# KiCad board Zx50 Bus Probe_RevB.kicad_pcb (continued)
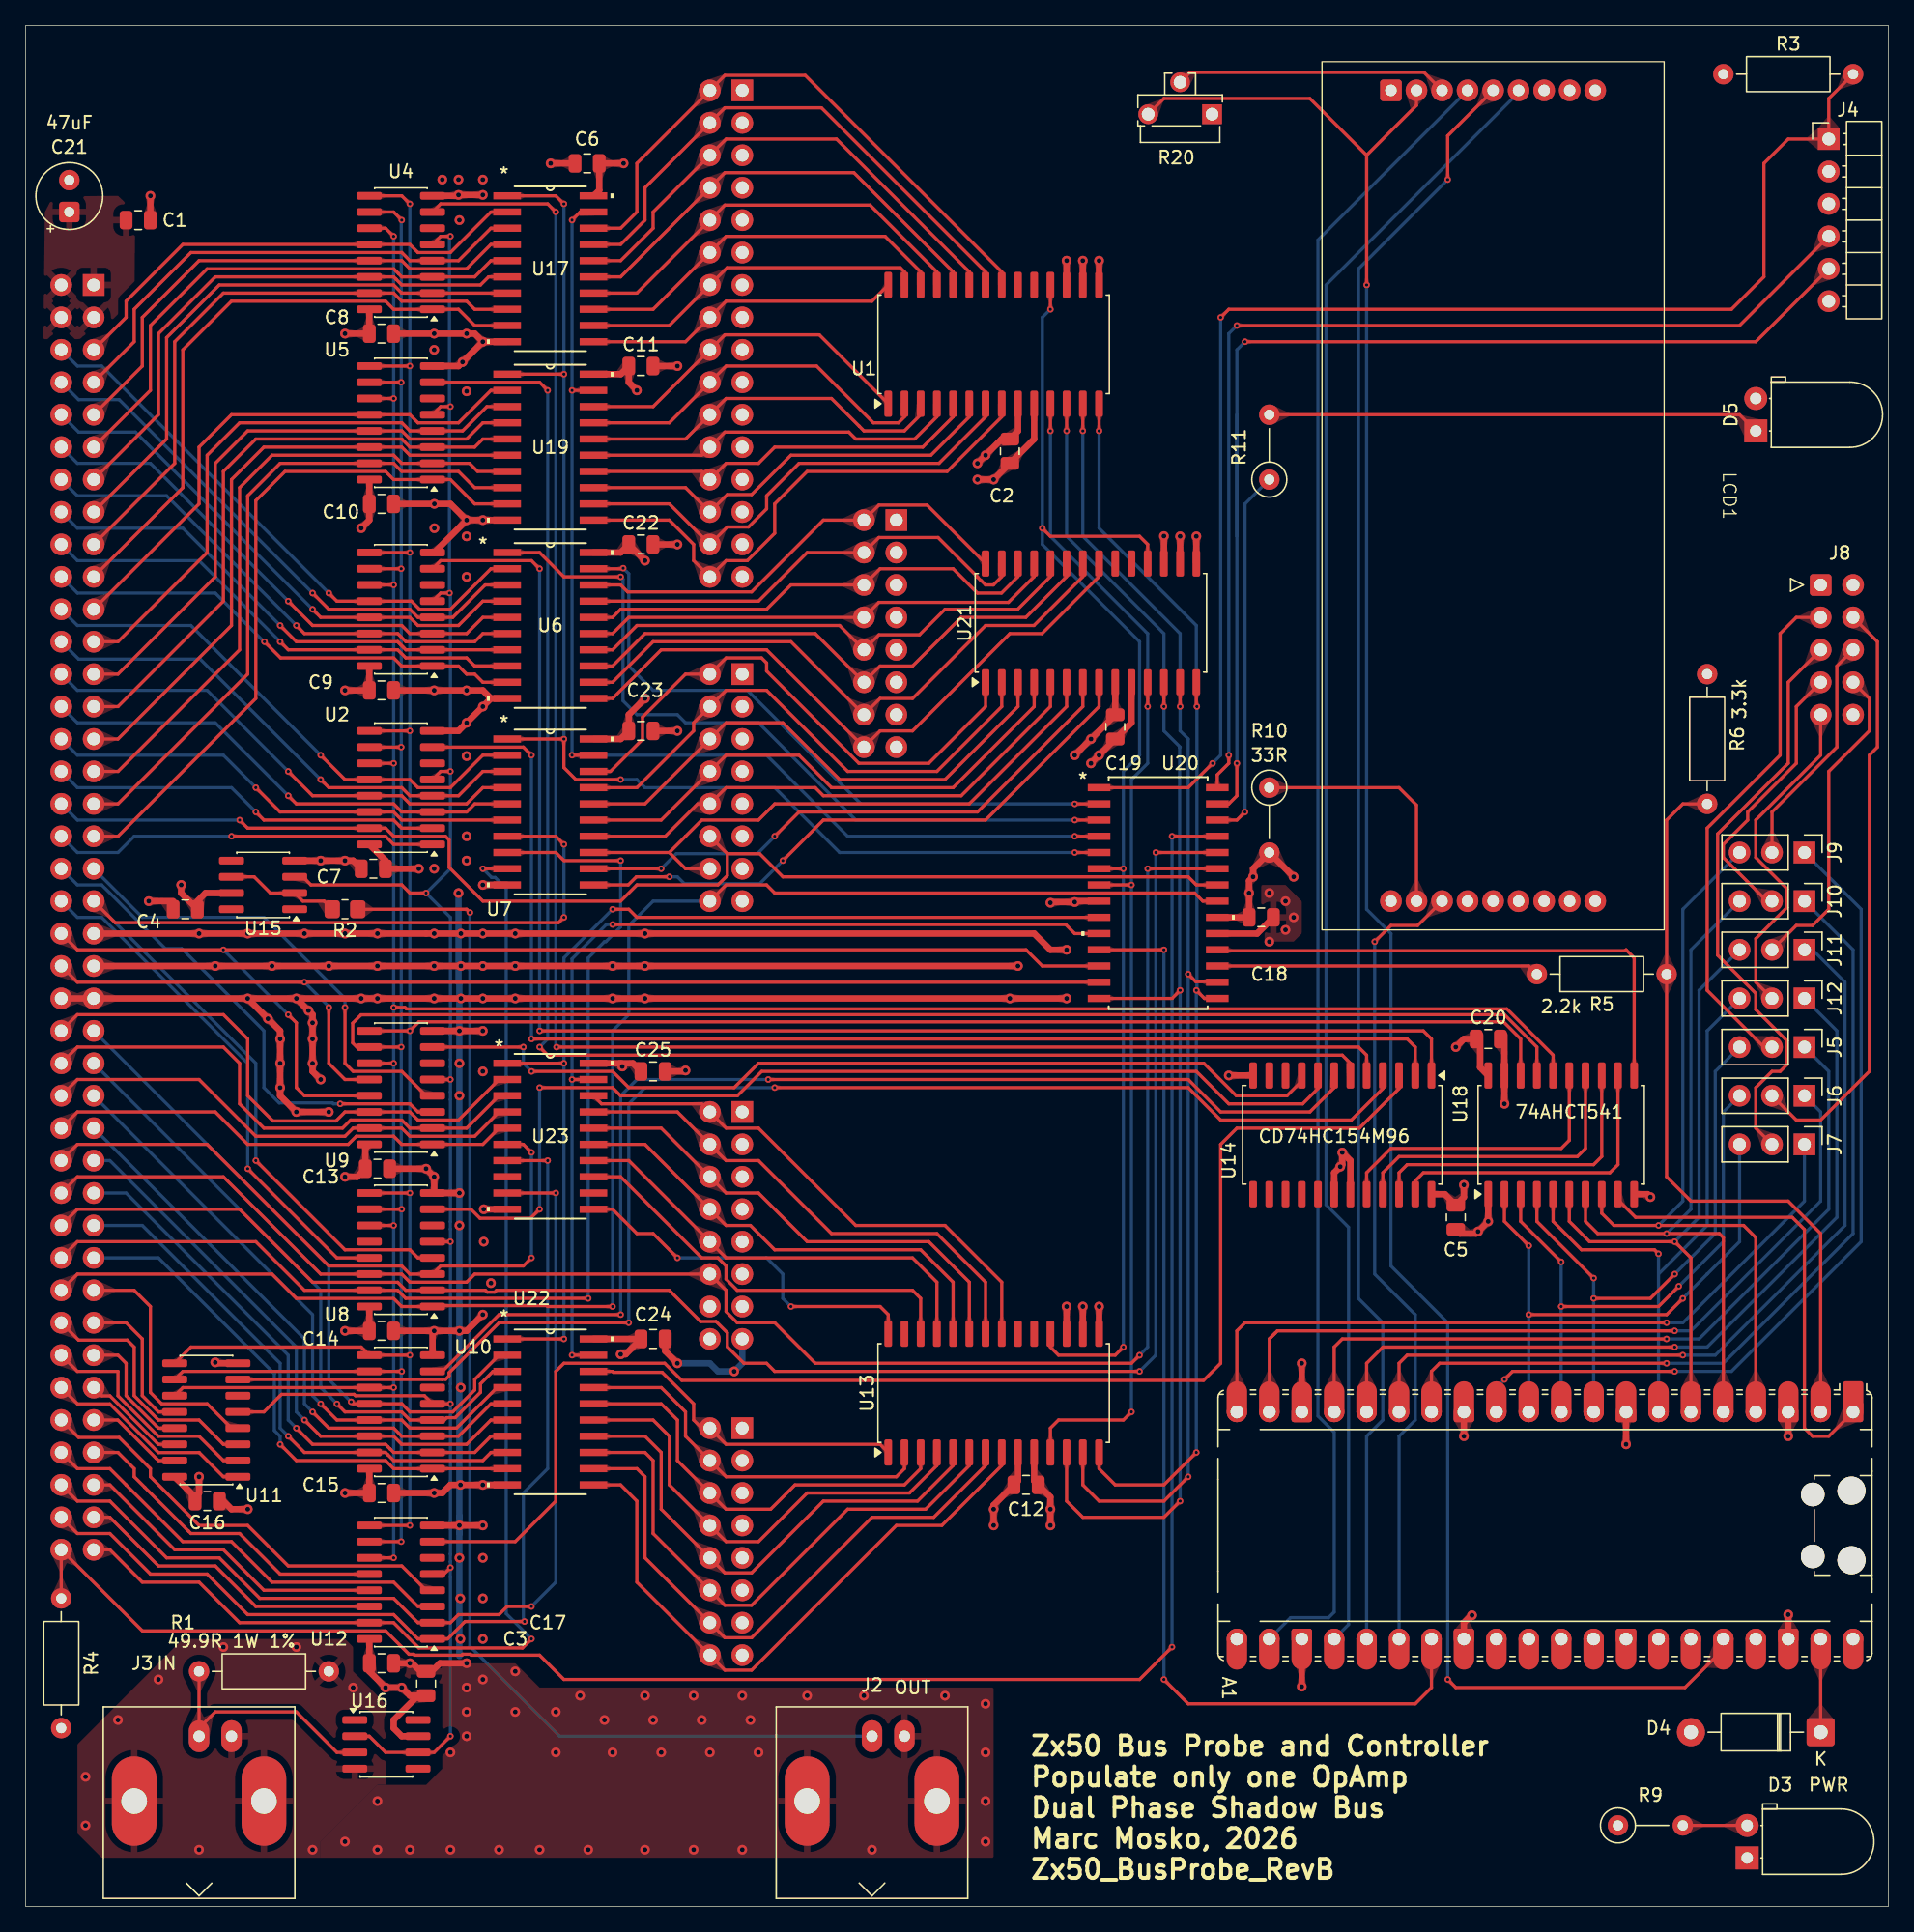
[diagram p0: board, top side]
## Routing (per net, layer and track width the routed paths; a pad name or vN(x,y) marks a point on that pad's centre or on a via; arc(x,y) is an arc through that point) (continued)
/X.A2: length 39.5
  Top w0.25: U1.23 73.91,128.02 63.51,138.43 54.86,138.43 J15.3b 49.15,132.72 49.15,131.44 46.61,128.91 U17.16
/X.A3: length 35.8
  Top w0.25: U1.24 72.64,128.02 64.87,135.8 54.77,135.8 J15.4b 46.61,127.63 U17.15
/X.A4: length 32.9
  Top w0.25: U1.25 71.37,128.02 66.14,133.26 54.77,133.26 J15.5b 47.88,126.36 U17.14
/X.A5: length 30.2
  Top w0.25: U1.26 70.1,128.02 67.32,130.81 54.86,130.81 J15.6b 49.15,125.09 U17.13
/X.A6: length 27.4
  Top w0.25: U1.27 68.83,128.02 68.51,128.35 54.95,128.35 J15.7b 50.42,123.82 U17.12
/X.A7: length 24.9
  Top w0.25: U17.11 51.69,122.55 J15.8b 54.86,125.73 66.29,125.73 U1.28
/X.A8: length 27.7
  Top w0.25: U1.1 62.17,123.1 54.77,123.1 J15.9b 49.15,117.47 U19.18
/X.A9: length 29.3
  Top w0.25: U1.2 68.83,116.68 68.36,116.2 66.4,116.2 61.96,120.65 54.86,120.65 J15.10b 50.42,116.2 44.48,116.2
/X.A10: length 28.5
  Top w0.25: U19.16 51.69,114.94 J15.11b 54.86,118.11 63.12,118.11 65.3,115.93 65.3,115.93 65.66,115.57 68.83,115.57 70.1,116.84
/X.A11: length 29.6
  Top w0.25: 44.48,113.66 52.96,113.66 J15.12b 54.77,115.48 64.48,115.48 65.02,114.94 69.63,114.94 71.37,116.68 U1.4
/X.A12: length 31.5
  Top w0.25: U1.5 72.64,116.68 70.27,114.3 58.67,114.3 57.4,113.03 54.86,113.03 J15.13b 52.96,112.39 U19.14
/X.A13: length 34.3
  Top w0.25: U1.6 73.91,116.68 70.9,113.66 59.94,113.66 56.86,110.58 54.96,110.58 J15.14b 51.69,111.12 44.48,111.12
/X.A14: length 37.8
  Top w0.25: U1.7 75.18,116.68 71.54,113.03 60.58,113.03 58.04,110.49 58.04,109.46 56.62,108.04 54.96,108.04 J15.15b 50.42,109.85 U19.12
/X.A15: length 42.1
  Top w0.25: U1.8 76.45,116.68 72.17,112.39 61.21,112.39 58.67,109.85 58.67,107.56 56.53,105.41 54.86,105.41 J15.16b 52.32,105.41 52.32,106.68 50.42,108.58 U19.11
/X.D0: length 35.6
  Top w0.25: U21.28 70.61,109.76 66.84,109.76 J16.1b 62.48,108.58 56.86,102.96 47.15,102.96 46.61,103.5 U6.18
/X.D1: length 36.9
  Top w0.25: U21.27 76.45,104.16 75.8,103.5 75.18,103.5 74.85,103.83 74.83,103.83 74.56,104.11 74.56,104.13 71.47,107.22 66.84,107.22 J16.2b 61.21,106.04 57.4,102.23 U6.17
/X.D2: length 37.2
  Top w0.25: 44.48,100.96 45.97,100.96 46.61,101.6 58.04,101.6 59.94,103.5 J16.3b 66.93,104.77 72.64,104.77 74.55,102.87 76.43,102.87 77.72,104.16 U21.26
/X.D3: length 37.4
  Top w0.25: U21.25 78.99,104.16 76.97,102.14 66.84,102.14 J16.4b 47.24,100.96 45.97,99.69 U6.15
/X.D4: length 40.8
  Top w0.25: U6.14 45.97,98.42 47.88,100.33 63.75,100.33 J16.5b 66.84,99.6 70.01,99.6 72.01,101.6 77.7,101.6 80.26,104.16 U21.24
/X.D5: length 44.1
  Top w0.25: U21.23 81.53,104.16 78.34,100.96 73.28,100.96 69.47,97.16 66.93,97.16 J16.6b 61.85,99.69 48.51,99.69 45.97,97.16 U6.13
/X.D6: length 47.5
  Top w0.25: U6.12 45.97,95.88 49.15,99.06 59.94,99.06 J16.7b 66.93,94.61 69.47,94.61 75.18,100.33 78.97,100.33 82.8,104.16 U21.22
/X.D7: length 50.9
  Top w0.25: U21.21 84.07,104.16 79.61,99.69 77.09,99.69 69.47,92.07 66.93,92.07 J16.8b 58.04,98.42 49.78,98.42 45.97,94.61 U6.11
/X.G12: length 29.1
  Top w0.25: v1(59.94,46.99) 66.93,46.99 67.56,46.35 U13.28 ; v1(51.05,50.8) 49.15,52.7 47.88,52.7 45.97,54.61 U23.11
  Bottom w0.25: v1(51.05,50.8) 58.04,50.8 59.31,49.53 59.31,47.62 v1(59.94,46.99)
/X.G14: length 32.9
  Top w0.25: U13.26 70.1,47.62 69.47,48.26 55.74,48.26 54.86,49.14 54.86,50.16 54.23,50.8 52.96,50.8 46.61,57.15 U23.13
/X.G15: length 47.7
  Top w0.25: v1(50.42,80.64) 47.84,80.64 47.2,80.01 U7.11 ; U21.8 84.07,93.98 75.18,85.09 62.48,85.09 v1(59.31,81.91)
  Bottom w0.25: v1(59.31,81.91) 57.5,80.1 51.59,80.1 51.05,80.64 v1(50.42,80.64)
/X.SD0: length 25.8
  Top w0.25: J19.1b 54.86,36.19 66.93,36.19 U13.1 ; 52.96,37.46 52.32,38.1 52.32,39.37 49.86,41.84 46.05,41.84 45.97,41.91 U22.18
/X.SD1: length 29.9
  Top w0.25: U13.2 68.83,34.29 68.2,33.66 54.86,33.66 J19.2b 51.69,36.83 51.69,38.73 49.78,40.64 U22.17
/X.SD2: length 33.5
  Top w0.25: U22.16 49.78,39.37 51.05,38.1 51.05,34.92 J19.3b 54.86,31.11 58.36,31.11 60.26,33.02 68.83,33.02 70.1,34.29 U13.3
/X.SD3: length 36.6
  Top w0.25: U22.15 49.15,38.1 50.42,36.83 50.42,33.02 J19.4b 54.86,28.57 57.4,28.57 61.21,32.38 69.22,32.38 71.37,34.54 U13.4
/X.SD4: length 39.7
  Top w0.25: U22.14 48.51,36.83 49.78,35.56 49.78,31.11 J19.5b 54.77,26.13 56.86,26.13 62.48,31.75 69.86,31.75 72.64,34.54 U13.5
/X.SD5: length 43.3
  Top w0.25: U13.6 73.91,34.54 70.49,31.11 64.39,31.11 56.86,23.59 54.77,23.59 J19.6b 49.15,29.21 49.15,34.92 48.51,35.56 U22.13
/X.SD6: length 46.5
  Top w0.25: U22.12 47.88,34.29 48.51,33.66 48.51,27.31 J19.7b 54.77,21.05 56.86,21.05 66.29,30.48 71.13,30.48 75.18,34.54 U13.7
/X.SD7: length 49.4
  Top w0.25: U13.8 76.45,34.54 71.76,29.84 68.2,29.84 56.86,18.51 54.77,18.51 J19.8b 47.88,25.4 47.88,31.75 46.61,33.02 U22.11
/X.SH_RW: length 36.7
  Top w0.25: U23.15 48.51,59.69 J20.4b 54.86,53.34 56.77,53.34 58.67,51.43 70.1,51.43 72.64,48.89 U13.24
/X.~BUSAK~: length 45.5
  Top w0.25: U7.12 v1(49.78,81.28) ; v1(58.67,83.82) 60.58,85.72 74.55,85.72 82.8,93.98 U21.7
  Bottom w0.25: v1(58.67,83.82) 57.31,82.46 50.96,82.46 v1(49.78,81.28)
/X.~IORQ~: length 42.2
  Top w0.25: U7.15 49.78,85.09 J17.4b 54.86,90.17 60.58,90.17 63.12,87.63 72.64,87.63 78.99,93.98 U21.4
/X.~M1~: length 42.4
  Top w0.25: U7.14 50.1,83.82 52.64,86.36 J17.5b 54.86,87.63 61.85,87.63 62.48,86.99 73.28,86.99 80.26,93.98 U21.5
/X.~MREQ~: length 42
  Top w0.25: U21.3 77.72,93.98 72.01,88.27 63.75,88.27 59.31,92.71 54.86,92.71 J17.3b 48.51,86.36 U7.16
/X.~RD~: length 42.9
  Top w0.25: U21.1 75.18,93.98 70.74,89.53 65.27,89.53 58.04,96.76 58.04,97.4 57.65,97.79 54.86,97.79 J17.1b 51.69,96.52 48.32,93.15 48.32,91.41 45.8,88.9 U7.18
/X.~RESET~: length 47.4
  Top w0.25: U21.6 81.53,93.98 73.91,86.36 58.67,86.36 57.4,85.09 52.96,85.09 51.69,83.82 51.69,83.82 50.42,82.55 ; J17.7b 51.69,81.28 50.42,82.55 ; 50.42,82.55 U7.13
/X.~SH_DONE~: length 34.9
  Top w0.25: U13.25 71.37,48.89 69.47,50.8 54.86,50.8 J20.5b 47.24,58.42 U23.14
/X.~SH_EN~: length 38.5
  Top w0.25: U13.23 73.91,48.89 70.74,52.07 61.21,52.07 57.4,55.88 54.86,55.88 J20.3b 49.78,60.96 U23.16
/X.~SH_INC~: length 40.3
  Top w0.25: U23.17 51.05,62.23 J20.2b 54.86,58.42 57.4,58.42 63.12,52.7 71.37,52.7 75.18,48.89 U13.22
/X.~SH_STB~: length 42.1
  Top w0.25: U23.18 45.11,62.86 52.96,62.86 J20.1b 54.86,60.96 57.4,60.96 65.02,53.34 72.01,53.34 76.45,48.89 U13.21
/X.~WR~: length 42.1
  Top w0.25: U7.17 47.88,87.63 52.32,92.07 52.32,92.71 J17.2b 54.86,95.25 58.04,95.25 64.39,88.9 71.37,88.9 76.45,93.98 U21.2
/~BUSAK~: length 88.2
  Top w0.25: v1(46.61,81.91) 42.16,81.91 41.53,82.55 U7.8 ; v1(44.07,47.62) 44.06,47.63 29.77,47.63 29.14,48.26 U8.15 21.84,48.26 18.03,52.07 4.06,52.07 J1.62
  Bottom w0.25: v1(44.07,47.62) 44.07,74.29 45.34,75.56 45.45,75.56 46.61,76.72 v1(46.61,81.91)
/~BUSRQ~: length 137
  Top w0.25: v1(87.25,41.91) 58.67,41.91 58.04,42.54 56.25,42.54 54.96,43.84 54.96,44.94 54.08,45.81 52.87,45.81 50.42,48.26 36.88,48.26 36.74,48.12 36.16,48.12 36.01,48.26 U8.2 29.78,48.26 29.15,48.89 22.49,48.89 16.76,54.61 4.06,54.61 J1.60 ; v1(88.52,82.55) U20.24
  Bottom w0.25: v1(88.52,82.55) 88.52,43.18 v1(87.25,41.91)
/~HALT~: length 40.5
  Top w0.25: U8.13 24.38,50.8 v1(17.4,57.78)
  Bottom w0.25: J1.40 4.07,77.47 5.97,77.47 17.4,66.04 v1(17.4,57.78)
/~INT~: length 123
  Top w0.25: v1(45.97,46.99) 40.89,46.99 40.82,47.06 31.95,47.06 ; U20.21 92.2,78.74 91.56,79.38 58.67,79.38 58.04,80.01 54.86,80.01 J17.8b ; U8.1 29.46,46.99 28.83,47.62 21.21,47.62 19.3,49.53 4.06,49.53 J1.64
  Bottom w0.25: J17.8b 49.15,78.74 47.24,76.83 47.24,69.85 45.97,68.58 v1(45.97,46.99)
/~IORQ~: length 38.6
  Top w0.25: v1(20.57,86.99) 21.21,86.36 28.83,86.36 29.46,85.72 U2.3 34.54,85.72 34.73,85.91 34.73,85.91 35.18,86.36 U7.5
  Bottom w0.25: v1(20.57,86.99) 14.86,92.71 4.06,92.71 J1.28
/~M1~: length 37.6
  Top w0.25: U7.6 29.46,85.09 28.83,85.72 U2.14 19.94,85.72 v1(18.03,87.63)
  Bottom w0.25: J1.30 4.06,90.17 15.49,90.17 v1(18.03,87.63)
/~MREQ~: length 39.7
  Top w0.25: v1(20.57,88.9) 22.48,86.99 U2.13 29.46,86.99 30.1,86.36 34.54,86.36 35.81,87.63 U7.4
  Bottom w0.25: v1(20.57,88.9) 14.22,95.25 4.06,95.25 J1.26
/~NMI~: length 30.4
  Top w0.25: v1(16.13,83.82) 28.19,83.82 28.83,83.18 31.87,83.18
  Bottom w0.25: v1(16.13,83.82) 8.51,83.82 7.24,82.55 4.06,82.55 J1.36
/~RD~: length 41.8
  Top w0.25: U7.2 35.81,90.17 33.27,87.63 30.73,87.63 30.1,88.27 U2.12 25.02,88.27 v1(23.11,90.17)
  Bottom w0.25: J1.22 4.06,100.33 12.95,100.33 v1(23.11,90.17)
/~RESET~: length 90.7
  Top w0.25: U7.7 41.53,83.82 v1(42.16,83.18) ; J1.39 7.02,77.05 41.75,77.05 v1(42.16,77.47) ; U8.4 30.73,50.8 30.1,51.43 25.02,51.43 v1(18.03,58.42)
  Bottom w0.25: J1.39 18.03,66.04 v1(18.03,58.42) ; v1(42.16,77.47) v1(42.16,83.18)
/~RFSH~: length 30.9
  Top w0.25: v1(18.03,85.72) 18.67,85.09 28.82,85.09 29.27,84.64 29.28,84.64 29.46,84.45 U2.2
  Bottom w0.25: J1.32 4.06,87.63 16.13,87.63 v1(18.03,85.72)
/~SH_BUSY~: length 136.6
  Top w0.25: J1.58 4.06,57.15 15.49,57.15 23.11,49.53 U8.14 29.46,49.53 30.1,48.89 34.54,48.89 35.18,49.53 J20.6b 54.86,48.26 54.86,46.6 55.74,45.72 58.67,45.72 61.85,42.54 86.61,42.54 v1(87.25,43.18) ; v1(87.88,81.28) U20.23
  Bottom w0.25: v1(87.25,43.18) 87.88,43.81 v1(87.88,81.28)
/~SH_DONE~: length 52.5
  Top w0.25: J1.56 4.06,59.69 14.22,59.69 23.75,50.16 29.46,50.16 30.1,49.53 U8.3 32.51,50.16 38.99,50.16 v1(39.62,50.8) ; v1(39.62,59.05) 38.99,59.69 U23.6
  Bottom w0.25: v1(39.62,50.8) v1(39.62,59.05)
/~SH_EN~: length 38
  Top w0.25: 37.08,62.23 35.18,60.32 30.1,60.32 29.46,60.96 U9.15 25.65,60.96 25.02,60.32 18.03,60.32 13.59,64.77 4.06,64.77 J1.52
/~SH_INC~: length 40.9
  Top w0.25: 37.08,63.5 34.54,60.96 U9.2 30.1,60.96 29.46,61.59 25.46,61.59 24.83,60.96 18.67,60.96 16.76,62.86 16.76,66.04 15.49,67.31 4.06,67.31 J1.50
/~SH_STB~: length 42.7
  Top w0.25: J1.48 4.06,69.85 15.49,69.85 17.4,67.94 17.4,63.5 19.38,61.52 24.31,61.52 25.02,62.23 U9.14 30.1,62.23 30.73,61.59 33.91,61.59 37.08,64.77
/~WAIT~: length 100.4
  Top w0.25: 54.96,82.46 57.5,82.46 59.31,80.64 91.06,80.64 91.69,80.01 U20.22 ; 54.96,82.46 54.96,80.74 54.23,80.01 47.88,80.01 46.61,78.74 35.81,78.74 33.17,81.38 33.17,83.54 32.89,83.82 28.83,83.82 28.2,84.45 U2.15 17.4,84.45 v1(16.76,85.09) ; 54.96,82.46 J17.6b
  Bottom w0.25: v1(16.76,85.09) 4.06,85.09 J1.34
/~WR~: length 40.7
  Top w0.25: v1(23.11,88.27) 23.75,87.63 29.46,87.63 30.1,86.99 U2.4 33.91,86.99 35.81,88.9 U7.3
  Bottom w0.25: J1.24 4.16,97.7 13.68,97.7 v1(23.11,88.27)
Net-(A1-3V3): length 171.3
  Top w0.25: 105.03,137.16 100.58,141.6 89.15,141.6 R20.3 ; 105.03,137.16 108.93,141.06 LCD1.2 ; 105.03,137.16 v1(105.03,127) ; A1.36 129.96,17.14 112.01,17.14 v1(111.38,17.78)
  Bottom w0.25: v1(111.38,17.78) 111.38,45.72 106.93,50.16 106.93,76.2 105.03,78.1 v1(105.03,127)
Net-(A1-GPIO2): length 59.8
  Top w0.25: U18.8 123.44,54.29 124.4,53.34 134.56,53.34 135.51,52.39 135.51,38.73
  Bottom w0.25: v1(127.89,53.34) 129.79,55.24 129.79,78.1 J9.3
Net-(A1-GPIO3): length 54.7
  Top w0.25: A1.5 132.97,52.39 132.65,52.7 123.13,52.7 122.17,53.66 U18.7
  Bottom w0.25: v1(128.52,52.7) 130.43,54.61 130.43,74.93 J10.3
Net-(A1-GPIO4): length 49.1
  Top w0.25: U18.6 120.9,53.66 122.49,52.07 v1(129.16,52.07) 130.43,50.8 A1.6
  Bottom w0.25: v1(129.16,52.07) 131.06,53.97 131.06,71.75 J11.3
Net-(A1-GPIO5): length 48
  Top w0.25: U18.5 119.63,53.66 121.86,51.43 127.57,51.43 v1(127.89,51.12)
  Bottom w0.25: J12.3 131.7,68.58 131.7,53.34 127.89,49.53 ; A1.7 v1(127.89,51.12)
Net-(A1-GPIO6): length 45.9
  Top w0.25: U18.4 118.36,53.66 v1(122.81,49.21) ; v1(129.16,49.53) 127.25,47.62 v1(122.81,47.62)
  Bottom w0.25: A1.9 v1(122.81,47.62) v1(122.81,49.21) ; J5.3 132.33,65.41 132.33,52.7 v1(129.16,49.53)
Net-(A1-GPIO7): length 45.1
  Top w0.25: U18.3 117.09,53.66 v1(120.27,50.48) ; v1(129.48,48.58) 127.89,46.99 v1(120.27,46.99)
  Bottom w0.25: v1(120.27,50.48) v1(120.27,46.99) A1.10 ; v1(129.48,48.58) 132.97,52.07 132.97,62.23 J6.3
Net-(A1-GPIO8): length 44.3
  Top w0.25: v1(117.73,46.35) 128.52,46.35 129.79,47.62 v1(129.79,47.63) ; v1(117.73,51.75) 115.82,53.66 U18.2
  Bottom w0.25: v1(129.79,47.63) 131.7,49.53 131.7,49.53 134.24,52.07 J7.3 ; 117.73,38.73 v1(117.73,51.75)
Net-(A1-GPIO9): length 67.5
  Top w0.25: v1(115.82,41.27) 116.46,41.91 v1(129.16,41.91)
  Bottom w0.25: v1(129.16,41.91) 133.6,41.91 143.76,52.07 143.76,78.1 J9.1 ; v1(115.82,41.27) 115.19,40.64 A1.12
Net-(A1-GPIO10): length 68.3
  Top w0.25: v1(128.52,42.54) 110.74,42.54 110.11,41.91 110.11,38.73
  Bottom w0.25: J10.1 143.13,74.93 143.13,52.7 132.97,42.54 v1(128.52,42.54)
Net-(A1-GPIO11): length 65.8
  Top w0.25: 107.57,38.73 107.57,42.54 108.2,43.18 v1(129.79,43.18)
  Bottom w0.25: v1(129.79,43.18) 132.33,43.18 142.49,53.34 142.49,72.39 139.95,74.93
Net-(A1-GPIO12): length 63.6
  Top w0.25: v1(129.16,43.81) 106.3,43.81 105.03,42.54 105.03,38.73
  Bottom w0.25: J12.1 141.86,68.58 141.86,53.97 131.7,43.81 v1(129.16,43.81)
Net-(A1-GPIO13): length 61.8
  Top w0.25: 102.49,38.73 102.49,43.81 103.12,44.45 v1(128.52,44.45)
  Bottom w0.25: v1(128.52,44.45) 131.06,44.45 141.22,54.61 141.22,65.41 J5.1
Net-(A1-GPIO14): length 62.5
  Top w0.25: 97.41,39.05 97.41,44.45 ; 97.41,44.45 97.89,44.93 ; 97.41,44.45 98.04,45.08 v1(129.16,45.08)
  Bottom w0.25: J6.1 140.59,62.23 140.59,55.24 130.43,45.08 v1(129.16,45.08)
Net-(A1-GPIO15): length 59.5
  Top w0.25: v1(128.52,45.72) 95.5,45.72 94.87,45.08 A1.20
  Bottom w0.25: J7.1 139.32,55.24 129.79,45.72 v1(128.52,45.72)
Net-(A1-VSYS): length 6.5
  Top w0.25: 140.59,13.89 140.59,20.4
Net-(D3-A): length 5
  Top w0.25: R9.2 134.83,6.35
Net-(D5-K): length 38.6
  Top w0.25: R11.2 134.24,116.84 D5.1
Net-(J5-Pin_2): length 40.3
  Top w0.25: J8.3 138.68,100.96 137.41,99.69 137.41,90.17 131.7,84.45 131.7,71.75 136.14,67.31
Net-(J6-Pin_2): length 46.6
  Top w0.25: 136.78,63.5 138.68,61.59 140.59,61.59 144.4,65.41 144.4,90.17 145.03,90.8 145.03,99.06 143.13,100.96
Net-(J7-Pin_2): length 46.2
  Top w0.25: 136.78,59.69 135.51,60.96 135.51,64.13 136.78,65.41 137.41,65.41 137.96,65.95 137.96,67.8 135.51,70.24 135.51,71.51 132.52,74.5 132.52,84.01 138.05,89.54 138.05,95.88 J8.5
Net-(J8-Pin_6): length 18.5
  Top w0.25: 136.78,82.55 136.78,85.72 141.86,90.8 141.86,97.16 143.13,98.42
Net-(J10-Pin_2): length 21.7
  Top w0.25: 136.39,78.74 132.97,82.16 132.97,83.18 134.87,85.09 134.87,85.72 138.68,89.53 138.68,93.98 J8.7
Net-(J11-Pin_2): length 25.4
  Top w0.25: 143.13,95.88 144.4,94.61 144.4,92.07 141.22,88.9 141.22,78.1 139.95,76.83 138.68,76.83 136.78,74.93
Net-(J12-Pin_2): length 26.9
  Top w0.25: J8.9 140.59,90.17 135.51,85.09 135.51,82.16 137.96,79.71 137.96,78.25 135.51,75.81 135.51,72.39 136.78,71.12
Net-(LCD1-Contrast): length 21.4
  Top w0.25: LCD1.3 109.52,143.65 91.2,143.65 R20.2

## Copper pours and planes (outline as drawn; the poured copper is in the pictures)
+5V on Top: 4.06,122.76 1.39,122.76 1.51,132.72 2.16,133.94 7.24,133.98 8.59,132.72 8.51,123.19
+5V on +5: 0.25,147.32 0.25,0.63 145.67,1.27 145.67,147.32
GND on Top: 75.82,3.81 75.82,17.14 40.26,17.14 38.35,19.05 28.19,19.05 28.19,17.78 28.51,17.46 32.64,17.46 32.64,10.79 31.37,9.53 27.56,9.53 23.11,5.08 23.11,3.81
GND on Top: 28.19,6.98 25.02,3.81 5.97,3.81 4.06,5.72 4.06,12.7 12.32,20.95 25.02,20.95 25.65,20.32 25.65,18.41 28.19,15.88
GND on Top: 97.04,78.1 97.04,75.56 99.31,75.56 99.95,76.2 99.95,78.74 98.68,80.01 96.77,80.01 96.77,77.84
GND on Bottom: 76.45,3.17 76.45,17.14 40.26,17.78 36.45,21.59 28.83,20.32 28.19,19.69 28.19,17.14 32.64,17.14 32.64,3.17
GND on Bottom: 31.37,135.89 31.37,19.05 35.81,19.05 37.08,20.32 37.08,79.06 35.63,80.87 35.66,83.44 37.08,84.48 37.08,135.89
GND on GND: 0.25,147.32 0.25,0.63 145.67,0.63 145.67,147.32

Small or netless copper shapes (teardrops, artwork), in the pictures only: 1155 on Top, 281 on Bottom

## Text on the board
B.Fab: J17 | J15 | J16
B.Silkscreen: RW | STB | EN | BUSY | INC | DONE | 0 | MREQ | M1 | RESET | 4 | 5 | 6 | 7 | 3 | 1 | 2 | RD | WR | IORQ | WAIT | INT | 8 | 9 | A | B | C | D | E | F | Z80 Address | Z80 Control | Shadow Control | Shadow Data | Z80 Data
F.Silkscreen: * | Zx50 Bus Probe and Controller / Populate only one OpAmp / Dual Phase Shadow Bus / Marc Mosko, 2026 / Zx50_BusProbe_RevB
